# Altium PCB pinban2.PcbDoc (part 3 of 5) (continued)
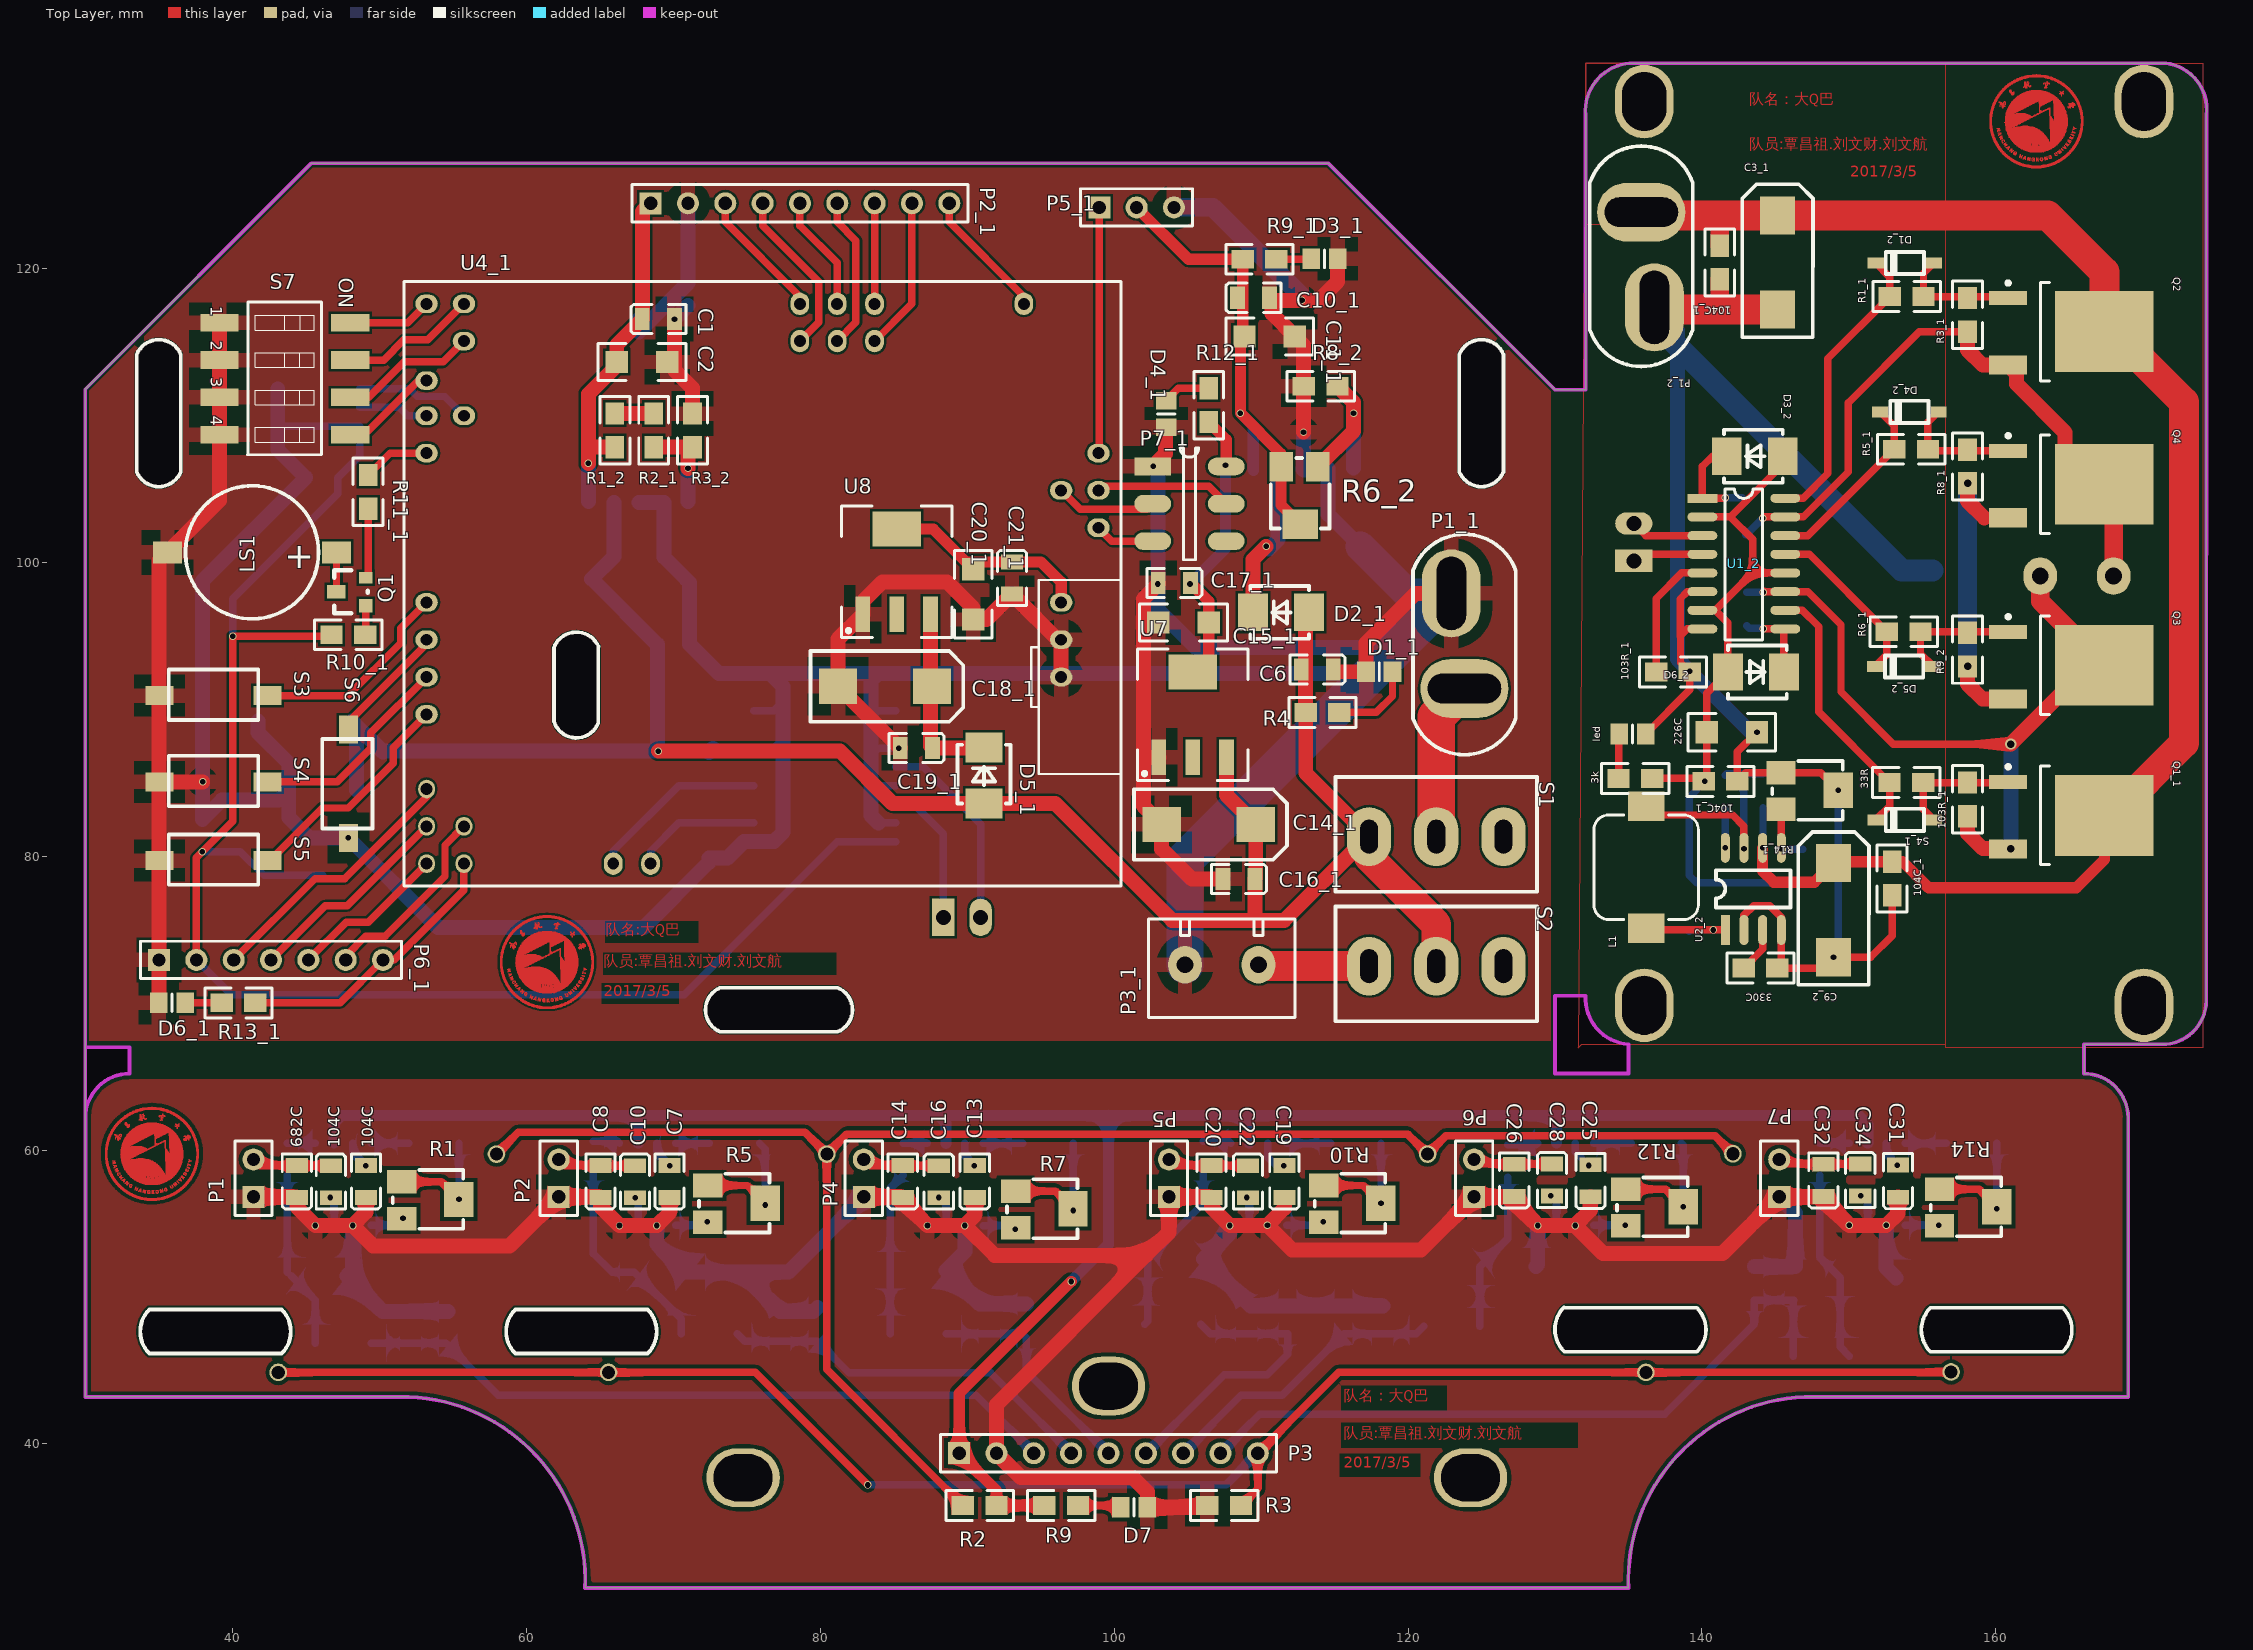
[diagram p0: Top Layer view]
## Nets (pads, with @x,y where several pads share a name; then routed paths per layer and width w, separated by ;. In a path a pad name is that pad's centre, name@x,y a point inside that pad or via, vN(x,y) a via of type N, cw(c..) or ccw(c..) an arc to the next point about the centre after c; other vN are vias at no path point) (continued)
; 61.882,75.376 61.959,75.376 ; 61.908,75.325 61.933,75.325 ; 61.908,75.401 61.984,75.401 ; 61.933,70.321 62.06,70.321 ; 61.933,70.346 62.035,70.346 ; 61.933,73.547 62.06,73.547 ; 61.933,75.096 62.136,75.096 ; 61.933,75.426 62.213,75.426 ; 61.933,75.782 62.517,75.782 ; 61.959,70.27 62.009,70.27 ; 61.959,70.296 62.086,70.296 ; 61.959,75.071 62.009,75.071 ; 61.984,70.169 62.035,70.169 ; 61.984,70.194 62.035,70.194 ; 61.984,70.219 62.009,70.219 ; 61.984,70.245 62.009,70.245 ; 61.984,70.372 62.009,70.372 ; 61.984,73.572 62.111,73.572 ; 61.984,75.122 62.086,75.122 ; 62.009,75.198 62.111,75.198 ; 62.009,75.274 62.035,75.274 ; 62.009,75.299 62.06,75.299 ; 62.009,75.325 62.06,75.325 ; 62.009,75.757 62.568,75.757 ; 62.035,69.838 62.568,69.838 ; 62.035,70.27 62.187,70.27 ; 62.035,73.598 62.187,73.598 ; 62.035,75.147 62.111,75.147 ; 62.035,75.172 62.111,75.172 ; 62.035,75.223 62.086,75.223 ; 62.035,75.35 62.06,75.35 ; 62.035,75.376 62.06,75.376 ; 62.06,75.071 62.111,75.071 ; 62.086,70.219 62.187,70.219 ; 62.086,70.245 62.111,70.245 ; 62.086,73.623 62.213,73.623 ; 62.086,75.249 62.162,75.249 ; 62.111,70.194 62.187,70.194 ; 62.111,70.296 62.162,70.296 ; 62.111,70.321 62.162,70.321 ; 62.111,70.346 62.136,70.346 ; 62.111,70.372 62.136,70.372 ; 62.111,70.397 62.136,70.397 ; 62.111,75.274 62.187,75.274 ; 62.111,75.299 62.162,75.299 ; 62.111,75.325 62.162,75.325 ; 62.111,75.401 62.162,75.401 ; 62.111,75.452 62.187,75.452 ; 62.111,75.477 62.187,75.477 ; 62.111,75.503 62.162,75.503 ; 62.136,69.864 62.644,69.864 ; 62.136,70.245 62.187,70.245 ; 62.136,73.648 62.263,73.648 ; 62.136,75.35 62.187,75.35 ; 62.136,75.376 62.314,75.376 ; 62.136,75.731 62.619,75.731 ; 62.187,73.674 62.34,73.674 ; 62.187,75.401 62.289,75.401 ; 62.238,69.889 62.695,69.889 ; 62.238,70.296 62.314,70.296 ; 62.238,70.321 62.314,70.321 ; 62.238,70.346 62.289,70.346 ; 62.238,70.372 62.289,70.372 ; 62.238,70.397 62.289,70.397 ; 62.238,70.423 62.289,70.423 ; 62.238,73.699 62.34,73.699 ; 62.238,75.35 62.314,75.35 ; 62.238,75.706 62.695,75.706 ; 62.263,70.448 62.416,70.448 ; 62.289,70.27 62.416,70.27 ; 62.289,73.191 62.34,73.191 ; 62.289,73.242 62.34,73.242 ; 62.289,73.267 62.34,73.267 ; 62.289,73.293 62.34,73.293 ; 62.289,73.318 62.34,73.318 ; 62.289,73.344 62.34,73.344 ; 62.289,73.369 62.34,73.369 ; 62.289,73.394 62.34,73.394 ; 62.289,73.42 62.34,73.42 ; 62.289,73.445 62.34,73.445 ; 62.289,73.471 62.34,73.471 ; 62.289,73.496 62.34,73.496 ; 62.289,73.521 62.34,73.521 ; 62.289,73.547 62.34,73.547 ; 62.289,73.572 62.34,73.572 ; 62.289,73.598 62.34,73.598 ; 62.289,73.623 62.34,73.623 ; 62.289,73.648 62.34,73.648 ; 62.289,73.725 62.34,73.725 ; 62.314,69.915 62.721,69.915 ; 62.314,70.473 62.39,70.473 ; 62.314,72.328 63.483,72.328 ; 62.314,72.353 63.483,72.353 ; 62.314,72.378 63.483,72.378 ; 62.314,72.404 63.508,72.404 ; 62.314,72.429 63.508,72.429 ; 62.314,72.455 63.508,72.455 ; 62.314,72.48 63.508,72.48 ; 62.314,72.505 63.508,72.505 ; 62.314,72.531 63.533,72.531 ; 62.314,72.556 63.533,72.556 ; 62.314,72.582 63.508,72.582 ; 62.314,72.607 63.533,72.607 ; 62.314,72.632 63.533,72.632 ; 62.314,72.658 63.533,72.658 ; 62.314,72.683 63.533,72.683 ; 62.314,72.709 63.533,72.709 ; 62.314,72.734 63.533,72.734 ; 62.314,72.759 63.533,72.759 ; 62.314,72.785 63.533,72.785 ; 62.314,72.81 63.533,72.81 ; 62.314,72.836 62.594,72.836 ; 62.314,72.861 62.568,72.861 ; 62.314,72.886 62.543,72.886 ; 62.314,72.912 62.543,72.912 ; 62.314,72.937 62.517,72.937 ; 62.314,72.963 62.517,72.963 ; 62.314,72.988 62.492,72.988 ; 62.314,73.013 62.467,73.013 ; 62.314,73.039 62.441,73.039 ; 62.314,73.064 62.441,73.064 ; 62.314,73.09 62.416,73.09 ; 62.314,73.115 62.416,73.115 ; 62.314,73.14 62.39,73.14 ; 62.314,73.166 62.365,73.166 ; 62.314,73.217 62.34,73.217 ; 62.34,70.372 62.441,70.372 ; 62.34,71.337 62.949,71.337 ; 62.34,71.413 63.025,71.413 ; 62.34,71.439 63.051,71.439 ; 62.34,71.464 63.051,71.464 ; 62.34,71.489 63.076,71.489 ; 62.34,71.515 63.102,71.515 ; 62.34,71.54 63.127,71.54 ; 62.34,71.566 63.127,71.566 ; 62.34,71.591 63.152,71.591 ; 62.34,71.616 63.178,71.616 ; 62.34,71.642 63.203,71.642 ; 62.34,71.667 63.203,71.667 ; 62.34,71.693 63.229,71.693 ; 62.34,71.718 63.229,71.718 ; 62.34,71.743 63.254,71.743 ; 62.34,71.769 63.254,71.769 ; 62.34,71.794 63.279,71.794 ; 62.34,71.82 63.305,71.82 ; 62.34,71.845 63.305,71.845 ; 62.34,71.87 63.33,71.87 ; 62.34,71.896 63.33,71.896 ; 62.34,71.921 63.33,71.921 ; 62.34,71.947 63.356,71.947 ; 62.34,71.972 63.356,71.972 ; 62.34,71.997 63.356,71.997 ; 62.34,72.023 63.381,72.023 ; 62.34,72.048 63.406,72.048 ; 62.34,72.074 63.406,72.074 ; 62.34,72.099 63.432,72.099 ; 62.34,72.124 63.432,72.124 ; 62.34,72.15 63.432,72.15 ; 62.34,72.175 63.432,72.175 ; 62.34,72.201 63.432,72.201 ; 62.34,72.226 63.457,72.226 ; 62.34,72.251 63.457,72.251 ; 62.34,72.277 63.457,72.277 ; 62.34,72.302 63.457,72.302 ; 62.34,75.68 62.746,75.68 ; 62.365,71.312 62.924,71.312 ; 62.365,71.362 62.949,71.362 ; 62.365,71.388 63,71.388 ; 62.39,69.94 62.797,69.94 ; 62.39,70.296 62.467,70.296 ; 62.39,70.397 62.416,70.397 ; 62.39,75.655 62.797,75.655 ; 62.416,70.321 62.467,70.321 ; 62.416,70.346 62.441,70.346 ; 62.467,69.965 62.848,69.965 ; 62.467,75.63 62.848,75.63 ; 62.543,69.991 62.898,69.991 ; 62.543,75.604 62.898,75.604 ; 62.568,74.055 63.127,74.055 ; 62.568,74.08 63.102,74.08 ; 62.568,74.106 63.076,74.106 ; 62.568,74.131 63.051,74.131 ; 62.568,74.156 63.051,74.156 ; 62.568,74.182 63.025,74.182 ; 62.568,74.207 63,74.207 ; 62.568,74.233 62.975,74.233 ; 62.568,74.258 62.949,74.258 ; 62.594,70.016 62.949,70.016 ; 62.594,73.191 63.508,73.191 ; 62.594,73.217 63.508,73.217 ; 62.594,73.242 63.483,73.242 ; 62.594,73.267 63.483,73.267 ; 62.594,73.293 63.457,73.293 ; 62.594,73.318 63.457,73.318 ; 62.594,73.344 63.457,73.344 ; 62.594,73.369 63.457,73.369 ; 62.594,73.394 63.432,73.394 ; 62.594,73.42 63.432,73.42 ; 62.594,73.445 63.432,73.445 ; 62.594,73.471 63.432,73.471 ; 62.594,73.496 63.406,73.496 ; 62.594,73.521 63.406,73.521 ; 62.594,73.547 63.406,73.547 ; 62.594,73.572 63.381,73.572 ; 62.594,73.598 63.356,73.598 ; 62.594,73.623 63.356,73.623 ; 62.594,73.648 63.356,73.648 ; 62.594,73.674 63.33,73.674 ; 62.594,73.699 63.33,73.699 ; 62.594,73.725 63.33,73.725 ; 62.594,73.75 63.305,73.75 ; 62.594,73.775 63.305,73.775 ; 62.594,73.801 63.279,73.801 ; 62.594,73.826 63.254,73.826 ; 62.594,73.852 63.254,73.852 ; 62.594,73.877 63.229,73.877 ; 62.594,73.902 63.203,73.902 ; 62.594,73.928 63.203,73.928 ; 62.594,73.953 63.203,73.953 ; 62.594,73.979 63.152,73.979 ; 62.594,74.004 63.152,74.004 ; 62.594,74.029 63.127,74.029 ; 62.619,70.6 62.67,70.6 ; 62.619,70.626 62.67,70.626 ; 62.619,72.836 63.533,72.836 ; 62.619,72.861 63.533,72.861 ; 62.619,72.886 63.533,72.886 ; 62.619,72.912 63.533,72.912 ; 62.619,72.937 63.533,72.937 ; 62.619,72.963 63.533,72.963 ; 62.619,72.988 63.533,72.988 ; 62.619,73.013 63.533,73.013 ; 62.619,73.039 63.533,73.039 ; 62.619,73.064 63.508,73.064 ; 62.619,73.09 63.508,73.09 ; 62.619,73.115 63.508,73.115 ; 62.619,73.14 63.508,73.14 ; 62.619,73.166 63.508,73.166 ; 62.619,75.579 62.949,75.579 ; 62.644,70.042 63,70.042 ; 62.644,70.55 62.695,70.55 ; 62.644,70.575 62.695,70.575 ; 62.644,75.553 63,75.553 ; 62.67,70.499 62.721,70.499 ; 62.67,70.524 62.721,70.524 ; 62.695,70.067 63.051,70.067 ; 62.695,70.473 62.822,70.473 ; 62.721,75.528 63.025,75.528 ; 62.746,70.651 62.822,70.651 ; 62.746,70.677 62.797,70.677 ; 62.771,70.092 63.076,70.092 ; 62.771,70.626 62.822,70.626 ; 62.771,75.503 63.076,75.503 ; 62.797,70.118 63.102,70.118 ; 62.797,70.575 62.848,70.575 ; 62.797,70.6 62.848,70.6 ; 62.822,70.499 62.848,70.499 ; 62.822,70.524 62.848,70.524 ; 62.822,70.55 62.848,70.55 ; 62.822,75.477 63.127,75.477 ; 62.848,70.143 63.152,70.143 ; 62.848,70.753 63,70.753 ; 62.848,75.452 63.152,75.452 ; 62.873,70.727 62.924,70.727 ; 62.898,70.169 63.203,70.169 ; 62.898,70.702 62.949,70.702 ; 62.898,70.778 62.924,70.778 ; 62.898,75.426 63.203,75.426 ; 62.924,70.651 63,70.651 ; 62.924,70.677 62.975,70.677 ; 62.949,70.194 63.229,70.194 ; 62.949,70.626 63.025,70.626 ; 62.949,70.727 63.127,70.727 ; 62.949,75.401 63.229,75.401 ; 62.975,70.219 63.254,70.219 ; 62.975,70.6 63.025,70.6 ; 62.975,70.854 63.025,70.854 ; 62.975,74.69 63.127,74.69 ; 63,70.702 63.127,70.702 ; 63,70.804 63.051,70.804 ; 63,70.829 63.051,70.829 ; 63,74.664 63.102,74.664 ; 63,74.817 63.051,74.817 ; 63,74.842 63.051,74.842 ; 63,75.376 63.279,75.376 ; 63.025,70.245 63.305,70.245 ; 63.025,70.778 63.102,70.778 ; 63.025,74.791 63.102,74.791 ; 63.025,75.35 63.305,75.35 ; 63.051,70.677 63.102,70.677 ; 63.051,70.753 63.102,70.753 ; 63.051,74.715 63.254,74.715 ; 63.051,74.766 63.229,74.766 ; 63.051,75.325 63.33,75.325 ; 63.076,70.27 63.33,70.27 ; 63.102,70.296 63.381,70.296 ; 63.102,70.931 63.152,70.931 ; 63.102,70.956 63.152,70.956 ; 63.102,74.512 63.152,74.512 ; 63.102,74.537 63.152,74.537 ; 63.102,74.563 63.152,74.563 ; 63.102,74.588 63.152,74.588 ; 63.102,74.614 63.127,74.614 ; 63.102,74.639 63.127,74.639 ; 63.102,74.741 63.229,74.741 ; 63.102,75.299 63.356,75.299 ; 63.127,70.321 63.406,70.321 ; 63.127,70.905 63.178,70.905 ; 63.152,70.88 63.203,70.88 ; 63.152,75.274 63.406,75.274 ; 63.178,70.346 63.432,70.346 ; 63.178,70.854 63.229,70.854 ; 63.178,74.69 63.279,74.69 ; 63.178,74.791 63.254,74.791 ; 63.178,75.249 63.432,75.249 ; 63.203,70.372 63.457,70.372 ; 63.203,70.804 63.254,70.804 ; 63.203,70.829 63.254,70.829 ; 63.203,71.032 63.254,71.032 ; 63.203,71.058 63.229,71.058 ; 63.203,74.664 63.279,74.664 ; 63.203,74.817 63.279,74.817 ; 63.203,75.223 63.457,75.223 ; 63.229,71.007 63.33,71.007 ; 63.229,74.842 63.279,74.842 ; 63.229,74.868 63.254,74.868 ; 63.254,70.397 63.508,70.397 ; 63.254,75.198 63.483,75.198 ; 63.279,70.423 63.508,70.423 ; 63.279,70.981 63.432,70.981 ; 63.279,75.172 63.533,75.172 ; 63.305,70.448 63.559,70.448 ; 63.305,71.108 63.356,71.108 ; 63.305,71.134 63.356,71.134 ; 63.305,71.159 63.33,71.159 ; 63.33,70.473 63.584,70.473 ; 63.33,71.083 63.381,71.083 ; 63.33,75.122 63.559,75.122 ; 63.33,75.147 63.559,75.147 ; 63.356,70.956 63.432,70.956 ; 63.356,71.007 63.406,71.007 ; 63.356,71.032 63.406,71.032 ; 63.356,71.058 63.406,71.058 ; 63.381,70.499 63.61,70.499 ; 63.381,71.235 63.457,71.235 ; 63.381,75.096 63.61,75.096 ; 63.406,70.524 63.635,70.524 ; 63.406,71.21 63.508,71.21 ; 63.406,71.261 63.432,71.261 ; 63.406,71.286 63.457,71.286 ; 63.406,75.071 63.635,75.071 ; 63.432,70.55 63.66,70.55 ; 63.432,71.312 63.483,71.312 ; 63.432,75.045 63.66,75.045 ; 63.457,70.575 63.686,70.575 ; 63.457,71.185 63.533,71.185 ; 63.457,71.337 63.483,71.337 ; 63.457,75.02 63.686,75.02 ; 63.483,71.159 63.584,71.159 ; 63.483,71.235 63.533,71.235 ; 63.483,74.995 63.711,74.995 ; 63.508,70.6 63.711,70.6 ; 63.508,70.626 63.737,70.626 ; 63.508,71.134 63.559,71.134 ; 63.508,71.261 63.533,71.261 ; 63.533,70.651 63.762,70.651 ; 63.533,71.108 63.559,71.108 ; 63.533,71.413 63.66,71.413 ; 63.533,71.439 63.584,71.439 ; 63.533,71.464 63.584,71.464 ; 63.533,73.775 63.584,73.775 ; 63.533,73.801 63.559,73.801 ; 63.533,74.944 63.762,74.944 ; 63.533,74.969 63.737,74.969 ; 63.559,70.677 63.762,70.677 ; 63.559,71.185 63.61,71.185 ; 63.559,71.489 63.61,71.489 ; 63.559,71.515 63.66,71.515 ; 63.559,73.75 63.762,73.75 ; 63.559,74.918 63.762,74.918 ; 63.584,71.21 63.635,71.21 ; 63.584,71.388 63.686,71.388 ; 63.584,73.725 63.66,73.725 ; 63.584,73.979 63.864,73.979 ; 63.61,70.702 63.813,70.702 ; 63.61,70.727 63.813,70.727 ; 63.61,71.54 63.66,71.54 ; 63.61,73.699 63.635,73.699 ; 63.61,73.826 63.66,73.826 ; 63.61,73.852 63.635,73.852 ; 63.61,74.004 63.711,74.004 ; 63.61,74.868 63.838,74.868 ; 63.61,74.893 63.813,74.893 ; 63.635,70.753 63.838,70.753 ; 63.635,71.362 63.737,71.362 ; 63.635,71.439 63.66,71.439 ; 63.635,71.464 63.787,71.464 ; 63.635,71.489 63.737,71.489 ; 63.635,73.775 63.737,73.775 ; 63.635,73.801 63.813,73.801 ; 63.635,74.029 63.711,74.029 ; 63.635,74.842 63.838,74.842 ; 63.66,70.778 63.864,70.778 ; 63.66,71.337 63.711,71.337 ; 63.66,71.693 63.711,71.693 ; 63.66,73.877 63.762,73.877 ; 63.66,73.902 63.737,73.902 ; 63.66,74.817 63.864,74.817 ; 63.686,70.804 63.889,70.804 ; 63.686,71.642 63.787,71.642 ; 63.686,71.667 63.813,71.667 ; 63.686,71.718 63.711,71.718 ; 63.686,73.826 63.94,73.826 ; 63.686,74.791 63.889,74.791 ; 63.711,70.829 63.914,70.829 ; 63.711,71.743 63.762,71.743 ; 63.711,71.769 63.762,71.769 ; 63.711,73.725 63.762,73.725 ; 63.711,74.766 63.914,74.766 ; 63.737,70.854 63.914,70.854 ; 63.737,70.88 63.94,70.88 ; 63.737,71.439 63.787,71.439 ; 63.737,73.699 63.762,73.699 ; 63.737,73.852 63.813,73.852 ; 63.737,73.953 63.991,73.953 ; 63.737,74.715 63.94,74.715 ; 63.737,74.741 63.94,74.741 ; 63.762,70.905 63.965,70.905 ; 63.762,71.693 63.914,71.693 ; 63.762,71.896 63.864,71.896 ; 63.762,73.928 63.889,73.928 ; 63.762,74.004 64.016,74.004 ; 63.762,74.029 63.813,74.029 ; 63.762,74.69 63.965,74.69 ; 63.787,70.931 63.991,70.931 ; 63.787,71.591 63.864,71.591 ; 63.787,71.718 63.889,71.718 ; 63.787,73.902 64.041,73.902 ; 63.787,74.664 63.991,74.664 ; 63.813,70.956 64.016,70.956 ; 63.813,71.616 63.889,71.616 ; 63.813,71.87 63.94,71.87 ; 63.813,72.023 63.838,72.023 ; 63.813,72.048 64.041,72.048 ; 63.813,73.877 64.041,73.877 ; 63.813,74.055 63.864,74.055 ; 63.813,74.639 64.016,74.639 ; 63.838,70.981 64.016,70.981 ; 63.838,71.007 64.041,71.007 ; 63.838,71.845 63.991,71.845 ; 63.838,72.074 63.991,72.074 ; 63.838,72.099 63.864,72.099 ; 63.838,72.124 63.864,72.124 ; 63.838,72.15 63.889,72.15 ; 63.838,73.801 63.94,73.801 ; 63.838,73.852 63.914,73.852 ; 63.838,74.029 63.94,74.029 ; 63.838,74.08 63.889,74.08 ; 63.838,74.588 64.041,74.588 ; 63.838,74.614 64.016,74.614 ; 63.864,71.032 64.067,71.032 ; 63.864,71.058 64.092,71.058 ; 63.864,71.642 63.889,71.642 ; 63.864,71.667 63.914,71.667 ; 63.864,73.75 63.94,73.75 ; 63.864,73.775 63.94,73.775 ; 63.864,74.563 64.067,74.563 ; 63.889,72.251 63.94,72.251 ; 63.889,72.277 64.016,72.277 ; 63.889,74.055 63.94,74.055 ; 63.889,74.537 64.092,74.537 ; 63.914,71.083 64.092,71.083 ; 63.914,71.108 64.118,71.108 ; 63.914,71.82 63.965,71.82 ; 63.914,72.378 63.991,72.378 ; 63.914,72.404 63.94,72.404 ; 63.914,73.979 64.016,73.979 ; 63.914,74.487 64.118,74.487 ; 63.914,74.512 64.092,74.512 ; 63.94,71.134 64.118,71.134 ; 63.94,71.159 64.143,71.159 ; 63.94,72.302 64.118,72.302 ; 63.94,72.353 64.016,72.353 ; 63.94,73.928 63.991,73.928 ; 63.94,74.461 64.118,74.461 ; 63.965,72.023 64.041,72.023 ; 63.965,74.41 64.143,74.41 ; 63.965,74.436 64.143,74.436 ; 63.991,71.185 64.143,71.185 ; 63.991,71.21 64.168,71.21 ; 63.991,72.328 64.041,72.328 ; 63.991,74.385 64.168,74.385 ; 64.016,71.235 64.194,71.235 ; 64.016,71.261 64.194,71.261 ; 64.016,73.953 64.041,73.953 ; 64.016,74.334 64.194,74.334 ; 64.016,74.36 64.194,74.36 ; 64.041,71.286 64.219,71.286 ; 64.041,71.312 64.219,71.312 ; 64.041,74.283 64.219,74.283 ; 64.041,74.309 64.219,74.309 ; 64.067,71.337 64.245,71.337 ; 64.067,74.258 64.245,74.258 ; 64.092,71.362 64.245,71.362 ; 64.092,71.388 64.245,71.388 ; 64.092,74.207 64.27,74.207 ; 64.092,74.233 64.245,74.233 ; 64.118,71.413 64.295,71.413 ; 64.118,71.439 64.295,71.439 ; 64.118,71.464 64.295,71.464 ; 64.118,74.156 64.295,74.156 ; 64.118,74.182 64.295,74.182 ; 64.143,71.489 64.321,71.489 ; 64.143,71.515 64.321,71.515 ; 64.143,74.08 64.321,74.08 ; 64.143,74.106 64.321,74.106 ; 64.143,74.131 64.295,74.131 ; 64.168,71.54 64.346,71.54 ; 64.168,74.055 64.346,74.055 ; 64.194,71.566 64.346,71.566 ; 64.194,71.591 64.346,71.591 ; 64.194,71.616 64.372,71.616 ; 64.194,73.979 64.372,73.979 ; 64.194,74.004 64.346,74.004 ; 64.194,74.029 64.346,74.029 ; 64.219,71.642 64.372,71.642 ; 64.219,71.667 64.397,71.667 ; 64.219,71.693 64.397,71.693 ; 64.219,73.902 64.397,73.902 ; 64.219,73.928 64.397,73.928 ; 64.219,73.953 64.372,73.953 ; 64.245,71.718 64.422,71.718 ; 64.245,71.743 64.422,71.743 ; 64.245,71.769 64.422,71.769 ; 64.245,73.852 64.422,73.852 ; 64.245,73.877 64.397,73.877 ; 64.27,71.794 64.422,71.794 ; 64.27,73.801 64.422,73.801 ; 64.27,73.826 64.422,73.826 ; 64.295,71.82 64.448,71.82 ; 64.295,71.845 64.448,71.845 ; 64.295,71.87 64.448,71.87 ; 64.295,71.896 64.448,71.896 ; 64.295,73.699 64.448,73.699 ; 64.295,73.725 64.448,73.725 ; 64.295,73.75 64.448,73.75 ; 64.295,73.775 64.448,73.775 ; 64.321,71.921 64.473,71.921 ; 64.321,71.947 64.499,71.947 ; 64.321,71.972 64.499,71.972 ; 64.321,71.997 64.499,71.997 ; 64.321,73.598 64.499,73.598 ; 64.321,73.623 64.499,73.623 ; 64.321,73.648 64.499,73.648 ; 64.321,73.674 64.473,73.674 ; 64.346,72.023 64.499,72.023 ; 64.346,72.048 64.499,72.048 ; 64.346,72.074 64.524,72.074 ; 64.346,72.099 64.524,72.099 ; 64.346,73.496 64.524,73.496 ; 64.346,73.521 64.524,73.521 ; 64.346,73.547 64.499,73.547 ; 64.346,73.572 64.499,73.572 ; 64.372,72.124 64.524,72.124 ; 64.372,72.15 64.524,72.15 ; 64.372,72.175 64.524,72.175 ; 64.372,73.42 64.524,73.42 ; 64.372,73.445 64.524,73.445 ; 64.372,73.471 64.524,73.471 ; 64.397,72.201 64.549,72.201 ; 64.397,72.226 64.549,72.226 ; 64.397,72.251 64.549,72.251 ; 64.397,72.277 64.549,72.277 ; 64.397,72.302 64.549,72.302 ; 64.397,72.328 64.549,72.328 ; 64.397,73.267 64.549,73.267 ; 64.397,73.293 64.549,73.293 ; 64.397,73.318 64.549,73.318 ; 64.397,73.344 64.549,73.344 ; 64.397,73.369 64.549,73.369 ; 64.397,73.394 64.549,73.394 ; 64.422,72.353 64.549,72.353 ; 64.422,72.378 64.575,72.378 ; 64.422,72.404 64.575,72.404 ; 64.422,72.429 64.575,72.429 ; 64.422,72.455 64.575,72.455 ; 64.422,72.48 64.575,72.48 ; 64.422,72.505 64.6,72.505 ; 64.422,72.531 64.6,72.531 ; 64.422,72.556 64.6,72.556 ; 64.422,72.582 64.6,72.582 ; 64.422,72.607 64.6,72.607 ; 64.422,72.988 64.6,72.988 ; 64.422,73.013 64.6,73.013 ; 64.422,73.039 64.6,73.039 ; 64.422,73.064 64.6,73.064 ; 64.422,73.09 64.6,73.09 ; 64.422,73.115 64.6,73.115 ; 64.422,73.14 64.575,73.14 ; 64.422,73.166 64.575,73.166 ; 64.422,73.191 64.575,73.191 ; 64.422,73.217 64.575,73.217 ; 64.422,73.242 64.549,73.242 ; 64.448,72.632 64.6,72.632 ; 64.448,72.658 64.6,72.658 ; 64.448,72.683 64.6,72.683 ; 64.448,72.709 64.6,72.709 ; 64.448,72.734 64.6,72.734 ; 64.448,72.759 64.6,72.759 ; 64.448,72.785 64.6,72.785 ; 64.448,72.81 64.6,72.81 ; 64.448,72.836 64.6,72.836 ; 64.448,72.861 64.6,72.861 ; 64.448,72.886 64.6,72.886 ; 64.448,72.912 64.6,72.912 ; 64.448,72.937 64.6,72.937 ; 64.448,72.963 64.6,72.963 ; 159.57,129.62 159.748,129.62 ; 159.57,129.645 159.748,129.645 ; 159.57,129.671 159.748,129.671 ; 159.57,129.696 159.748,129.696 ; 159.57,129.721 159.722,129.721 ; 159.57,129.747 159.722,129.747 ; 159.57,129.772 159.722,129.772 ; 159.57,129.798 159.722,129.798 ; 159.57,129.823 159.722,129.823 ; 159.57,129.848 159.722,129.848 ; 159.57,129.874 159.722,129.874 ; 159.57,129.899 159.722,129.899 ; 159.57,129.925 159.722,129.925 ; 159.57,129.95 159.722,129.95 ; 159.57,129.975 159.722,129.975 ; 159.57,130.001 159.722,130.001 ; 159.57,130.026 159.722,130.026 ; 159.57,130.052 159.722,130.052 ; 159.57,130.077 159.722,130.077 ; 159.57,130.102 159.722,130.102 ; 159.57,130.128 159.722,130.128 ; 159.57,130.153 159.722,130.153 ; 159.57,130.179 159.722,130.179 ; 159.57,130.204 159.722,130.204 ; 159.57,130.229 159.722,130.229 ; 159.57,130.255 159.722,130.255 ; 159.57,130.28 159.722,130.28 ; 159.57,130.306 159.722,130.306 ; 159.57,130.331 159.748,130.331 ; 159.57,130.356 159.748,130.356 ; 159.57,130.382 159.748,130.382 ; 159.57,130.407 159.748,130.407 ; 159.595,129.518 159.748,129.518 ; 159.595,129.544 159.748,129.544 ; 159.595,129.569 159.748,129.569 ; 159.595,129.594 159.748,129.594 ; 159.595,130.433 159.748,130.433 ; 159.595,130.458 159.748,130.458 ; 159.595,130.483 159.748,130.483 ; 159.595,130.509 159.748,130.509 ; 159.621,129.366 159.773,129.366 ; 159.621,129.391 159.773,129.391 ; 159.621,129.417 159.773,129.417 ; 159.621,129.442 159.773,129.442 ; 159.621,129.467 159.773,129.467 ; 159.621,129.493 159.773,129.493 ; 159.621,130.534 159.748,130.534 ; 159.621,130.56 159.773,130.56 ; 159.621,130.585 159.773,130.585 ; 159.621,130.61 159.773,130.61 ; 159.621,130.636 159.773,130.636 ; 159.621,130.661 159.773,130.661 ; 159.646,129.239 159.824,129.239 ; 159.646,129.264 159.824,129.264 ; 159.646,129.29 159.824,129.29 ; 159.646,129.315 159.798,129.315 ; 159.646,129.34 159.798,129.34 ; 159.646,130.687 159.798,130.687 ; 159.646,130.712 159.798,130.712 ; 159.646,130.737 159.798,130.737 ; 159.646,130.763 159.824,130.763 ; 159.646,130.788 159.824,130.788 ; 159.671,129.137 159.849,129.137 ; 159.671,129.163 159.849,129.163 ; 159.671,129.188 159.824,129.188 ; 159.671,129.213 159.824,129.213 ; 159.671,130.814 159.824,130.814 ; 159.671,130.839 159.824,130.839 ; 159.671,130.864 159.849,130.864 ; 159.671,130.89 159.849,130.89 ; 159.697,129.086 159.875,129.086 ; 159.697,129.112 159.849,129.112 ; 159.697,130.915 159.849,130.915 ; 159.697,130.941 159.849,130.941 ; 159.722,129.01 159.875,129.01 ; 159.722,129.036 159.875,129.036 ; 159.722,129.061 159.875,129.061 ; 159.722,130.966 159.875,130.966 ; 159.722,130.991 159.875,130.991 ; 159.722,131.017 159.875,131.017 ; 159.722,131.042 159.9,131.042 ; 159.748,128.909 159.925,128.909 ; 159.748,128.934 159.925,128.934 ; 159.748,128.959 159.9,128.959 ; 159.748,128.985 159.9,128.985 ; 159.748,131.068 159.9,131.068 ; 159.748,131.093 159.925,131.093 ; 159.748,131.118 159.925,131.118 ; 159.773,128.832 159.951,128.832 ; 159.773,128.858 159.951,128.858 ; 159.773,128.883 159.951,128.883 ; 159.773,131.144 159.925,131.144 ; 159.773,131.169 159.951,131.169 ; 159.773,131.195 159.951,131.195 ; 159.798,128.807 159.976,128.807 ; 159.798,131.22 159.976,131.22 ; 159.824,128.731 160.002,128.731 ; 159.824,128.756 159.976,128.756 ; 159.824,128.782 159.976,128.782 ; 159.824,131.245 159.976,131.245 ; 159.824,131.271 159.976,131.271 ; 159.824,131.296 160.002,131.296 ; 159.849,128.655 160.052,128.655 ; 159.849,128.68 160.027,128.68 ; 159.849,128.705 160.027,128.705 ; 159.849,131.322 160.027,131.322 ; 159.849,131.347 160.027,131.347 ; 159.875,128.629 160.052,128.629 ; 159.875,131.372 160.052,131.372 ; 159.875,131.398 160.052,131.398 ; 159.9,128.578 160.078,128.578 ; 159.9,128.604 160.078,128.604 ; 159.9,131.423 160.078,131.423 ; 159.9,131.449 160.078,131.449 ; 159.925,128.528 160.129,128.528 ; 159.925,128.553 160.078,128.553 ; 159.925,131.474 160.078,131.474 ; 159.925,131.499 160.103,131.499 ; 159.951,128.477 160.154,128.477 ; 159.951,128.502 160.129,128.502 ; 159.951,131.525 160.129,131.525 ; 159.951,131.55 160.129,131.55 ; 159.976,128.426 160.179,128.426 ; 159.976,128.451 160.154,128.451 ; 159.976,131.576 160.154,131.576 ; 159.976,131.601 160.154,131.601 ; 160.002,128.401 160.179,128.401 ; 160.002,131.626 160.179,131.626 ; 160.027,128.35 160.23,128.35 ; 160.027,128.375 160.205,128.375 ; 160.027,131.652 160.179,131.652 ; 160.027,131.677 160.23,131.677 ; 160.052,128.324 160.23,128.324 ; 160.052,129.518 160.179,129.518 ; 160.052,131.703 160.23,131.703 ; 160.078,128.248 160.281,128.248 ; 160.078,128.274 160.281,128.274 ; 160.078,128.299 160.256,128.299 ; 160.078,129.34 160.129,129.34 ; 160.078,129.366 160.256,129.366 ; 160.078,129.391 160.281,129.391 ; 160.078,129.417 160.154,129.417 ; 160.078,131.728 160.256,131.728 ; 160.078,131.753 160.256,131.753 ; 160.103,131.779 160.281,131.779 ; 160.129,128.197 160.332,128.197 ; 160.129,128.223 160.306,128.223 ; 160.129,129.213 160.357,129.213 ; 160.129,129.442 160.179,129.442 ; 160.129,129.544 160.256,129.544 ; 160.129,131.804 160.306,131.804 ; 160.129,131.83 160.332,131.83 ; 160.154,128.147 160.357,128.147 ; 160.154,128.172 160.357,128.172 ; 160.154,129.061 160.205,129.061 ; 160.154,129.086 160.23,129.086 ; 160.154,129.467 160.23,129.467 ; 160.154,131.855 160.332,131.855 ; 160.179,128.121 160.383,128.121 ; 160.179,129.112 160.281,129.112 ; 160.179,129.137 160.306,129.137 ; 160.179,129.163 160.23,129.163 ; 160.179,129.188 160.23,129.188 ; 160.179,129.493 160.23,129.493 ; 160.179,131.322 160.281,131.322 ; 160.179,131.347 160.256,131.347 ; 160.179,131.88 160.357,131.88 ; 160.179,131.906 160.383,131.906 ; 160.205,128.096 160.408,128.096 ; 160.205,129.518 160.256,129.518 ; 160.205,131.296 160.306,131.296 ; 160.205,131.931 160.408,131.931 ; 160.23,128.07 160.433,128.07 ; 160.23,128.934 160.281,128.934 ; 160.23,129.417 160.281,129.417 ; 160.23,131.957 160.433,131.957 ; 160.256,128.02 160.459,128.02 ; 160.256,128.045 160.459,128.045 ; 160.256,128.959 160.357,128.959 ; 160.256,131.017 160.281,131.017 ; 160.256,131.042 160.281,131.042 ; 160.256,131.068 160.281,131.068 ; 160.256,131.093 160.306,131.093 ; 160.256,131.118 160.306,131.118 ; 160.256,131.144 160.306,131.144 ; 160.256,131.271 160.383,131.271 ; 160.256,131.982 160.433,131.982 ; 160.256,132.007 160.459,132.007 ; 160.281,127.994 160.484,127.994 ; 160.281,128.807 160.383,128.807 ; 160.281,128.832 160.433,128.832 ; 160.281,128.858 160.357,128.858 ; 160.281,128.985 160.433,128.985 ; 160.281,129.163 160.357,129.163 ; 160.281,129.188 160.357,129.188 ; 160.281,131.169 160.332,131.169 ; 160.281,131.195 160.383,131.195 ; 160.281,131.22 160.357,131.22 ; 160.281,131.245 160.357,131.245 ; 160.281,132.033 160.484,132.033 ; 160.306,127.969 160.535,127.969 ; 160.306,128.782 160.332,128.782 ; 160.306,128.883 160.357,128.883 ; 160.306,132.058 160.51,132.058 ; 160.332,127.943 160.56,127.943 ; 160.332,128.909 160.383,128.909 ; 160.332,129.01 160.433,129.01 ; 160.332,131.296 160.383,131.296 ; 160.332,132.084 160.535,132.084 ; 160.357,127.918 160.56,127.918 ; 160.357,128.934 160.408,128.934 ; 160.357,131.144 160.459,131.144 ; 160.357,131.169 160.535,131.169 ; 160.357,132.109 160.56,132.109 ; 160.383,127.893 160.586,127.893 ; 160.383,128.629 160.433,128.629 ; 160.383,128.655 160.433,128.655 ; 160.383,128.68 160.459,128.68 ; 160.383,128.858 160.484,128.858 ; 160.383,128.959 160.433,128.959 ; 160.383,129.036 160.433,129.036 ; 160.383,131.017 160.459,131.017 ; 160.383,131.042 160.459,131.042 ; 160.383,131.068 160.637,131.068 ; 160.383,131.093 160.459,131.093 ; 160.383,131.118 160.459,131.118 ; 160.383,132.134 160.586,132.134 ; 160.383,132.16 160.611,132.16 ; 160.408,127.867 160.637,127.867 ; 160.408,128.604 160.433,128.604 ; 160.408,128.705 160.484,128.705 ; 160.408,130.991 160.484,130.991 ; 160.433,127.816 160.662,127.816 ; 160.433,127.842 160.662,127.842 ; 160.433,128.553 160.51,128.553 ; 160.433,128.578 160.51,128.578 ; 160.433,128.731 160.586,128.731 ; 160.433,128.883 160.484,128.883 ; 160.433,130.941 160.51,130.941 ; 160.433,130.966 160.51,130.966 ; 160.433,131.195 160.535,131.195 ; 160.433,131.22 160.535,131.22 ; 160.433,131.245 160.535,131.245 ; 160.433,132.185 160.637,132.185 ; 160.433,132.211 160.662,132.211 ; 160.459,127.791 160.687,127.791 ; 160.459,130.915 160.51,130.915 ; 160.484,127.766 160.738,127.766 ; 160.484,131.017 160.637,131.017 ; 160.484,131.042 160.637,131.042 ; 160.484,131.093 160.56,131.093 ; 160.484,131.118 160.56,131.118 ; 160.484,131.144 160.56,131.144 ; 160.484,131.271 160.56,131.271 ; 160.484,132.236 160.687,132.236 ; 160.484,132.261 160.713,132.261 ; 160.51,130.991 160.535,130.991 ; 160.51,131.296 160.56,131.296 ; 160.535,127.74 160.764,127.74 ; 160.535,128.426 160.586,128.426 ; 160.535,128.451 160.662,128.451 ; 160.535,131.322 160.687,131.322 ; 160.535,132.287 160.738,132.287 ; 160.56,127.715 160.789,127.715 ; 160.56,128.477 160.662,128.477 ; 160.56,128.629 160.611,128.629 ; 160.56,128.655 160.611,128.655 ; 160.56,128.705 160.611,128.705 ; 160.56,131.347 160.662,131.347 ; 160.56,132.312 160.789,132.312 ; 160.586,127.689 160.814,127.689 ; 160.586,128.324 160.662,128.324 ; 160.586,128.502 160.662,128.502 ; 160.586,128.68 160.611,128.68 ; 160.586,129.95 160.611,129.95 ; 160.586,131.372 160.611,131.372 ; 160.586,132.338 160.814,132.338 ; 160.586,132.363 160.84,132.363 ; 160.611,127.664 160.84,127.664 ; 160.611,131.169 160.662,131.169 ; 160.611,131.195 160.662,131.195 ; 160.637,127.639 160.891,127.639 ; 160.637,128.35 160.687,128.35 ; 160.637,128.375 160.738,128.375 ; 160.637,128.426 160.687,128.426 ; 160.637,128.528 160.713,128.528 ; 160.637,129.721 161.348,129.721 ; 160.637,129.747 161.424,129.747 ; 160.637,129.772 161.475,129.772 ; 160.637,129.798 161.5,129.798 ; 160.637,129.823 161.551,129.823 ; 160.637,129.848 161.627,129.848 ; 160.637,129.874 161.678,129.874